# Altium PCB PCB1.PcbDoc (part 2 of 2)
Units mil, origin at the board's own origin, x right, y up, seen from the top; angles counter-clockwise.
Board outline 3919.97 x 3924.97 mil, 2 copper layers (Top Layer, Bottom Layer); 147 components, 81 nets, 426 pads, 415 vias.
Unrouted connection lines stored in the file: 3.
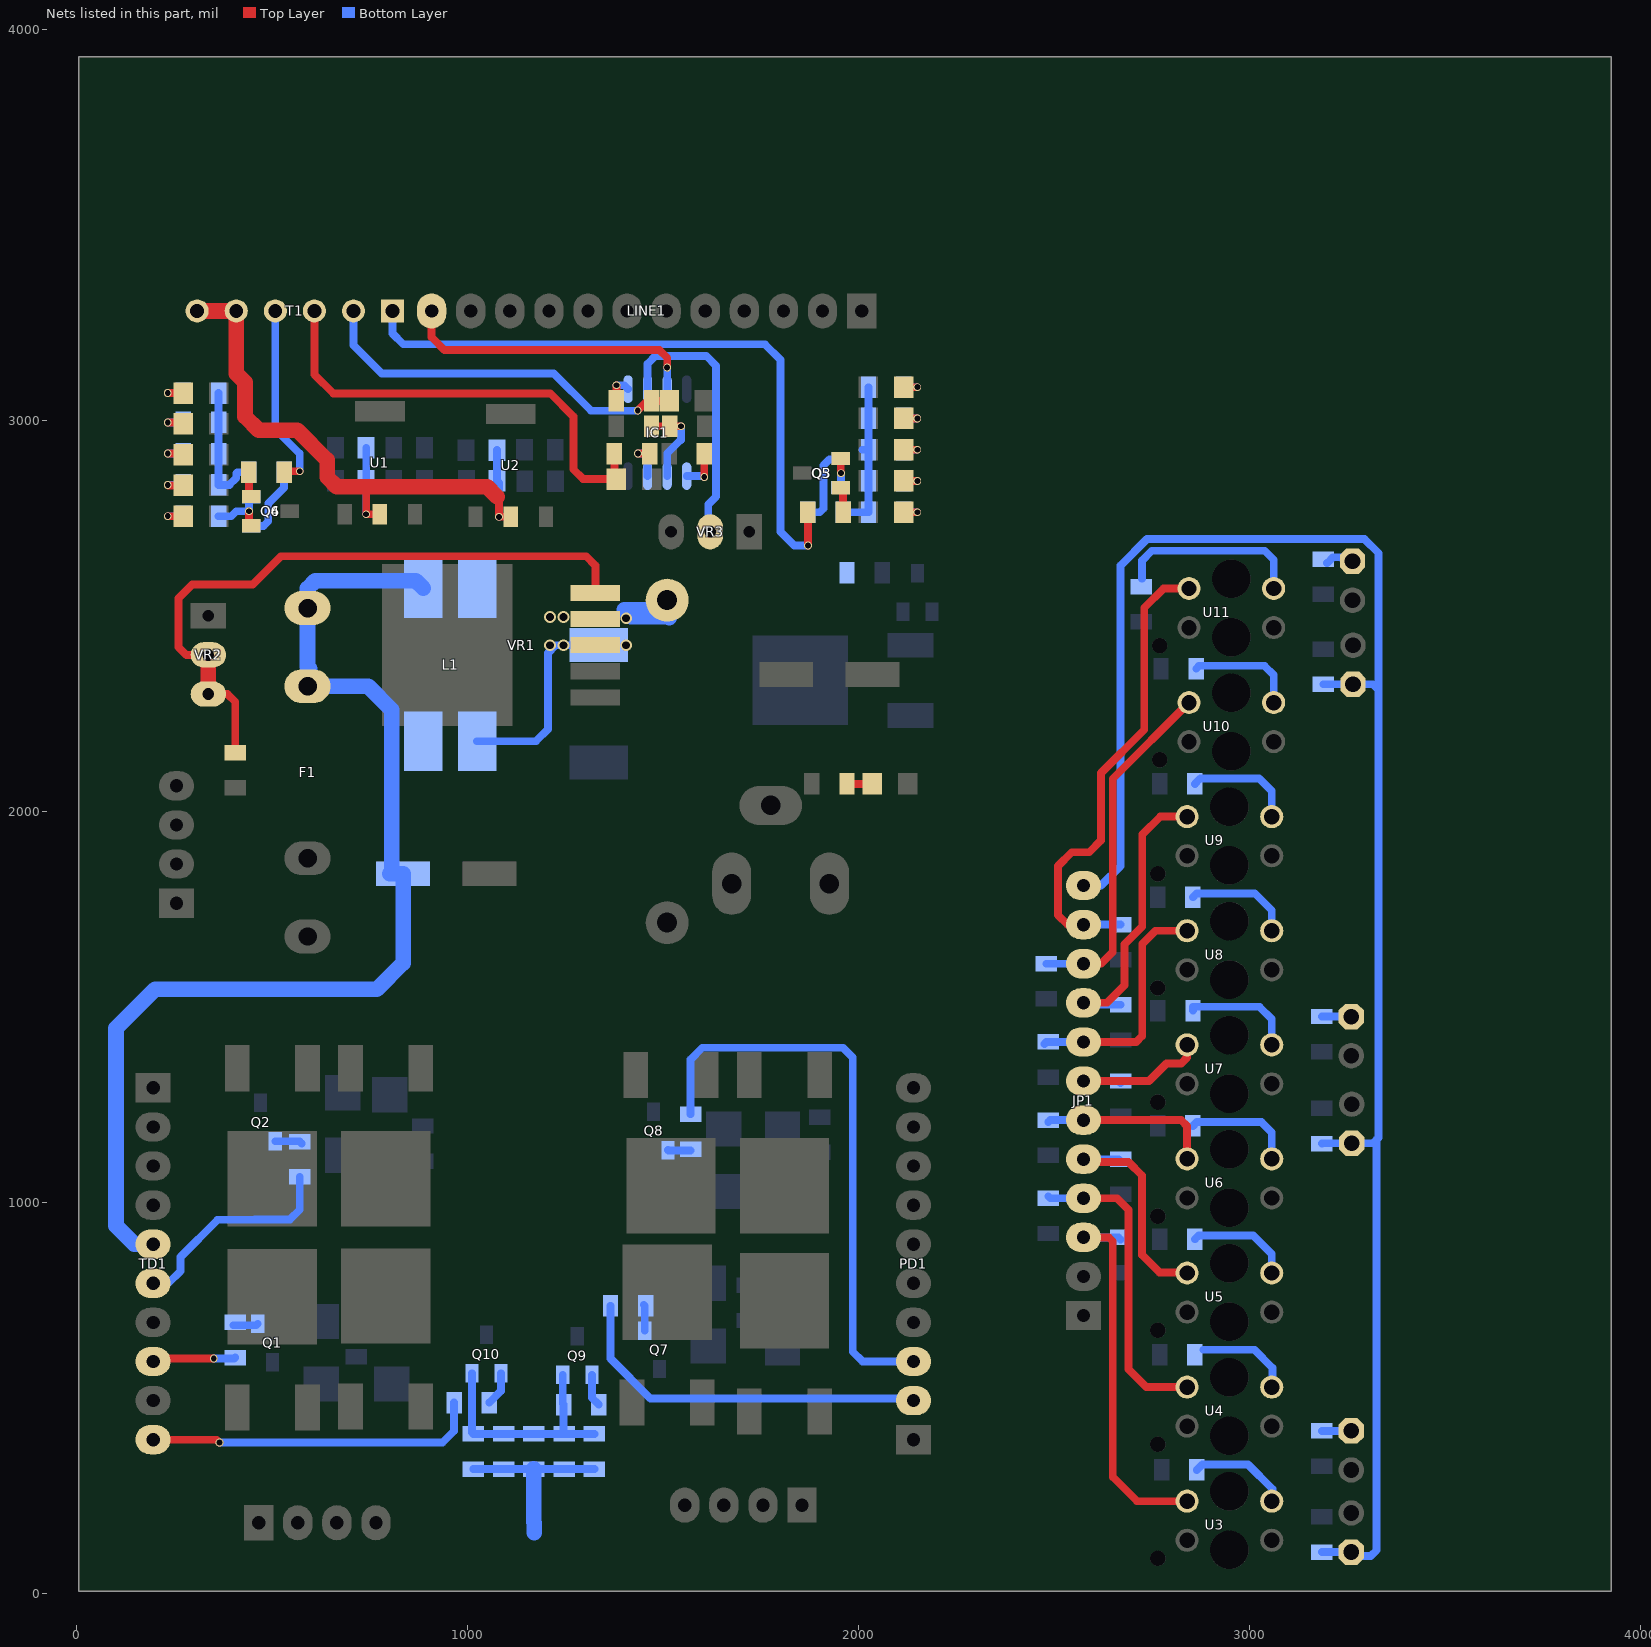
[diagram p2: the nets of this part, all layers, seen from the top]

## Via types
v1: diameter 20, hole 15, Top Layer to Bottom Layer, 368 vias
v2: diameter 30, hole 15, Top Layer to Bottom Layer, 27 vias
v3: diameter 30, hole 20, Top Layer to Bottom Layer, 16 vias
v4: diameter 200, hole 150, Top Layer to Bottom Layer, 4 vias

## Nets (pads, with @x,y where several pads share a name; then routed paths per layer and width w, separated by ;. In a path a pad name is that pad's centre, name@x,y a point inside that pad or via, vN(x,y) a via of type N, cw(c..) or ccw(c..) an arc to the next point about the centre after c; other vN are vias at no path point) (continued)
NetC4_1: C4.1 F1.2 L1.1 L1.2 R38.2 TD1.5 VR1.4 | length 3166.4
  Bottom Layer w40: TD1.5@195,892.5 147.5,892.5 100,940 100,1445 200,1545 767.5,1545 834.53,1612.03 C4.1@834.53,1840 C4.1@805,1840 ; C4.1@800,1840 C4.1@805,1840 ; L1.1@886.1,2570.87 866.97,2590 610,2590 590,2570 F1.2@590,2520 590,2370 595,2365 595,2324.63 590,2319.63 745.37,2319.63 805,2260 C4.1@805,1840 ; R38.2@1515,2495 1515,2498.31 1416.69,2498.31 1400,2515 1495.37,2515 1500,2519.63 1517.5,2502.13 R38.2@1517.5,2500
  other v3: 1405,2493.86 1210,2496.93 1245,2496.93
NetCx5_2: Cx5.2 Cx6.2 Cx7.2 Cx8.2 T1.5 T1.6 U1.2 U2.2 | length 1668.8
  Top Layer w20: 735,2830 740,2825 v1(740,2760) U1.2@775,2760 ; 1075,2804.9 1080,2799.9 v1(1080,2753.31) U2.2@1110,2753.31
  Top Layer w40: T1.6@307.6,3280 T1.5@407.6,3280 407.6,3119.83 430,3097.43 430,3010 465,2975 563.99,2975 640,2898.99 640,2855 665,2830 735,2830 1049.9,2830 1075,2804.9
  Bottom Layer w20: v1(740,2760) Cx6.2@740,2845 Cx5.2@740,2930 ; Cx7.2@1074.37,2923.99 1074.37,2845.63 Cx8.2@1075,2845 1080,2840 v1(1080,2753.31)
NetIC1_1: IC1.1 R14.2 | length 74.1
  Top Layer w20: R14.2@1380,3050 v1(1380,3090)
  Bottom Layer w20: v1(1380,3090) 1400,3090 IC1.1@1410,3080
NetIC1_2: IC1.2 VR3.2 | length 699
  Bottom Layer w20: IC1.2@1460,3080 1460,3145 1480,3165 1610,3165 1635,3140 1635,2805 1615,2785 1615,2715 VR3.2@1620,2710
NetIC1_3: IC1.3 JP1.12 LED15.1 LED17.1 LED19.1 LINE1.12 R39.2 R47.2 R55.2 | length 5346.8
  Top Layer w20: LINE1.12@907.5,3280 907.5,3212.5 940,3180 1490,3180 1510,3160 v1(1510,3135)
  Bottom Layer w20: IC1.3@1510,3080 v1(1510,3135) ; JP1.12@2575,1810 2620,1810 2670,1860 2670,2628.89 2737.57,2696.46 3293.54,2696.46 3330,2660 3330,2310 ; R55.2@3185,105 LED19.1@3260,105 3270,95 3310,95 3325,110 3325,1160 3315.87,1150.87 LED17.1@3261.26,1150.87 3185.87,1150.87 R47.2@3185,1150 ; R39.2@3188.27,2324.8 LED15.1@3264.53,2324.8 3315.2,2324.8 3330,2310 ; 3330,1165 3330,2310
NetIC1_5: IC1.5 R25.2 | length 106.1
  Top Layer w20: v1(1605,2855) R25.2@1605,2915
  Bottom Layer w20: IC1.5@1560,2857.56 1602.44,2857.56 v1(1605,2855)
NetIC1_6: IC1.6 R26.2 R30.1 | length 217.3
  Top Layer w20: R26.2@1470,2985 R30.1@1516.25,2985 v1(1545,2985)
  Bottom Layer w20: IC1.6@1510,2857.56 1510,2915.61 1542.57,2948.19 1543.19,2948.19 1545,2950 v1(1545,2985)
NetIC1_7: IC1.7 R27.2 | length 106.6
  Top Layer w20: v1(1435,2915) R27.2@1465,2915
  Bottom Layer w20: v1(1435,2915) 1450,2915 1460,2905 IC1.7@1460,2857.56
NetJP1_3: JP1.3 R41.2 U3.COLL | length 994.9
  Top Layer w20: JP1.3@2575,910 2640,910 2650,900 2650,297.4 2712.2,235.2 U3.COLL@2840,235.2
  Bottom Layer w20: JP1.3@2575,910 2664.19,910 R41.2@2670,904.19
NetJP1_4: JP1.4 R43.2 U4.COLL | length 796.2
  Top Layer w20: JP1.4@2575,1010 2660.66,1010 2690,980.66 2690,572.5 2735.45,527.05 U4.COLL@2840,527.05
  Bottom Layer w20: R43.2@2485,1015 2490,1010 JP1.4@2575,1010
NetJP1_5: JP1.5 R45.2 U5.COLL | length 601.7
  Top Layer w20: JP1.5@2575,1110 2581.98,1103.02 2690,1103.02 2725,1068.02 2725,864.83 2769.83,820 2838.9,820 U5.COLL@2840,818.9
  Bottom Layer w20: JP1.5@2575,1110 2665,1110 R45.2@2670,1105
NetJP1_6: JP1.6 R50.2 U6.COLL | length 447.5
  Top Layer w20: JP1.6@2575,1210 2825,1210 2840,1195 U6.COLL@2840,1110.75
  Bottom Layer w20: R50.2@2485,1205 2490,1210 JP1.6@2575,1210
NetJP1_7: JP1.7 R52.2 U7.COLL | length 419.5
  Top Layer w20: JP1.7@2575,1310 2742.5,1310 2787.5,1355 2825,1355 2840,1370 U7.COLL@2840,1402.6
  Bottom Layer w20: JP1.7@2575,1310 2665,1310 R52.2@2670,1305
NetJP1_8: JP1.8 R54.2 U8.COLL | length 622.6
  Top Layer w20: JP1.8@2575,1410 2710,1410 2725.51,1425.51 2725.51,1660.51 2759.45,1694.45 U8.COLL@2840,1694.45
  Bottom Layer w20: R54.2@2475,1405 2480,1410 JP1.8@2575,1410
NetJP1_9: JP1.9 R57.2 U9.COLL | length 758.5
  Top Layer w20: JP1.9@2575,1510 2635,1510 2680,1555 2680,1660 2725.51,1705.51 2725.51,1940.51 2771.3,1986.3 U9.COLL@2840,1986.3
  Bottom Layer w20: JP1.9@2575,1510 2580,1505 R57.2@2670,1505
NetJP1_10: JP1.10 R59.2 U10.COLL | length 901.3
  Top Layer w20: JP1.10@2575,1610 2620,1610 2650,1640 2650,2083.15 U10.COLL@2845,2278.15
  Bottom Layer w20: R59.2@2480,1610 JP1.10@2575,1610
NetJP1_11: JP1.11 R61.2 U11.COLL | length 1208.6
  Top Layer w20: JP1.11@2575,1710 2534.44,1710 2510,1734.44 2510,1860 2545,1895 2589.48,1895 2620,1925.52 2620,2098.15 2730.51,2208.66 2730.51,2520.51 2780,2570 U11.COLL@2845,2570
  Bottom Layer w20: JP1.11@2575,1710 R61.2@2670,1710
NetL1_3: L1.3 L1.4 SS1.1 VR1.3 | length 527.2
  Bottom Layer w20: L1.3@1023.9,2179.14 1174.14,2179.14 1205,2210 1205,2405 1225,2425 SS1.1@1335,2425
  other v3: 1210,2425 1245,2425 1405,2425
NetLED1_1: LED1.1 R14.1 T1.2 | length 975.1
  Top Layer w20: v1(1434.76,3025.24) 1459.53,3050 R14.1@1470,3050 LED1.1@1515,3050
  Bottom Layer w20: T1.2@707.6,3280 707.6,3192.4 780,3120 1220,3120 1315.43,3024.57 1434.1,3024.57 v1(1434.76,3025.24)
NetLED2_1: LED2.1 R18.2 | length 70
  Top Layer w20: LED2.1@2115,2925 v1(2150,2925)
  Bottom Layer w20: R18.2@2115,2925 v1(2150,2925)
NetLED3_1: LED3.1 R19.2 | length 70
  Top Layer w20: LED3.1@2115,3085 v1(2150,3085)
  Bottom Layer w20: R19.2@2115,3085 v1(2150,3085)
NetLED4_1: LED4.1 R23.2 | length 81
  Top Layer w20: v1(232.5,2915) 270,2915 LED4.1@272.5,2912.5
  Bottom Layer w20: v1(232.5,2915) R23.2@272.5,2915
NetLED5_1: LED5.1 R24.2 | length 80
  Top Layer w20: v1(232.5,2755) LED5.1@272.5,2755
  Bottom Layer w20: v1(232.5,2755) R24.2@272.5,2755
NetLED6_1: LED6.1 R15.2 | length 70
  Top Layer w20: LED6.1@2115,3005 v1(2150,3005)
  Bottom Layer w20: R15.2@2115,3005 v1(2150,3005)
NetLED7_1: LED7.1 R20.2 | length 81.6
  Top Layer w20: v1(232.5,2995) 268.75,2995 LED7.1@272.5,2991.25
  Bottom Layer w20: v1(232.5,2995) R20.2@272.5,2995
NetLED8_1: LED8.1 R16.2 | length 70
  Top Layer w20: LED8.1@2115,2765 v1(2150,2765)
  Bottom Layer w20: R16.2@2115,2765 v1(2150,2765)
NetLED9_1: LED9.1 R17.2 | length 70
  Top Layer w20: LED9.1@2115,2845 v1(2150,2845)
  Bottom Layer w20: R17.2@2115,2845 v1(2150,2845)
NetLED10_1: LED10.1 R21.2 | length 80
  Top Layer w20: v1(232.5,3070) LED10.1@272.5,3070
  Bottom Layer w20: v1(232.5,3070) R21.2@272.5,3070
NetLED11_1: LED11.1 R22.2 | length 80.5
  Top Layer w20: v1(232.5,2835) 233.75,2833.75 LED11.1@272.5,2833.75
  Bottom Layer w20: v1(232.5,2835) R22.2@272.5,2835
NetLED12_1: LED12.1 R27.1 T1.3 | length 1191.9
  Top Layer w20: T1.3@607.6,3280 607.6,3117.4 655.83,3069.17 1210.83,3069.17 1270,3010 1270,2875 1295,2850 LED12.1@1380,2850 1375,2855 R27.1@1375,2915
NetLED13_1: LED13.1 R36.2 | length 65
  Top Layer w20: R36.2@1970,2070 LED13.1@2035,2070
NetLED14_1: LED14.1 R46.2 | length 83.8
  Bottom Layer w20: R46.2@3198.27,2634.8 3213.47,2650 3233.07,2650 LED14.1@3263.27,2619.8
NetLED16_1: LED16.1 R48.2 | length 75.1
  Bottom Layer w20: R48.2@3185,1475 3185.2,1474.8 LED16.1@3260,1474.8
NetLED18_1: LED18.1 R62.2 | length 75
  Bottom Layer w20: R62.2@3185,415 LED18.1@3260,415
NetPD1_2: PD1.2 R13.2 | length 954.4
  Bottom Layer w20: R13.2@1365,734.9 1365,600.07 1467.57,497.5 2135,497.5 PD1.2@2140,492.5
NetPD1_3: PD1.3 R12.1 | length 1495.6
  Bottom Layer w20: R12.1@1570,1225 1570,1365 1600,1395 1960,1395 1985,1370 1985,617.5 2010,592.5 PD1.3@2140,592.5
NetQ1_3: Q1.3 R5.1 | length 64.3
  Bottom Layer w20: R5.1@400,685 458.39,685 Q1.3@462.6,689.21
NetQ2_3: Q2.3 R4.2 | length 70
  Bottom Layer w20: Q2.3@507.4,1155.79 569.21,1155.79 R4.2@575,1150
NetQ3_1: Q3.1 Q5.1 R10.1 R15.1 R16.1 R17.1 R18.1 R19.1 | length 541
  Top Layer w20: Q3.1@1954,2902 1954,2866 v1(1955,2865)
  Bottom Layer w20: v1(1955,2865) 1955,2829.79 Q5.1@1953.21,2828.01 1960,2821.22 R10.1@1960,2765 R16.1@2025,2765 R17.1@2025,2845 R18.1@2025,2925 ; R18.1@2010,2925 R18.1@2025,2925 ; R19.1@2025,3085 R18.1@2025,2925
NetQ3_3: Q3.3 R8.2 | length 65
  Top Layer w20: Q3.3@1954.21,2827.6 1960,2821.81 R8.2@1960,2765
NetQ4_1: Q4.1 Q6.1 R11.1 R20.1 R21.1 R22.1 R23.1 R24.1 | length 560.4
  Top Layer w20: v1(440,2767.5) 440,2736.5 Q4.1@446,2730.5
  Bottom Layer w20: R24.1@362.5,2755 395,2755 407.5,2767.5 v1(440,2767.5) 440,2798.5 Q6.1@446,2804.5 440,2810.5 R11.1@440,2867.5 410,2867.5 407.5,2865 407.5,2852.5 390,2835 R22.1@362.5,2835 R23.1@362.5,2915 R20.1@362.5,2995 R21.1@362.5,3070
NetQ4_3: Q4.3 R9.2 | length 65
  Top Layer w20: R9.2@440,2867.5 440,2810.69 Q4.3@445.79,2804.9
NetQ5_3: Q5.3 R10.2 | length 205
  Bottom Layer w20: R10.2@1870,2765 1900.38,2765 1909.59,2774.21 1909.59,2853.02 1910,2853.43 1910,2885 1925,2900 1951.02,2900 Q5.3@1953.43,2902.41
NetQ6_3: Q6.3 R11.2 | length 190.9
  Bottom Layer w20: Q6.3@445.79,2730.1 477.6,2730.1 489.62,2742.12 489.62,2787.5 530,2827.88 R11.2@530,2867.5
NetQ7_3: Q7.3 R13.1 | length 66.9
  Bottom Layer w20: R13.1@1450,737.5 1452.6,734.9 Q7.3@1452.6,671.71
NetQ8_3: Q8.3 R12.2 | length 57.9
  Bottom Layer w20: Q8.3@1512.4,1133.29 1513.19,1132.5 R12.2@1570,1132.5
NetQ9_1: Q9.1 Q10.1 R28.1 R29.1 R31.1 R32.1 R33.1 R34.1 | length 619.1
  Bottom Layer w20: Q10.1@1010.6,562.54 1010.6,410.72 R29.1@1014,407.32 R32.1@1091.5,407.32 R33.1@1169,407.32 R28.1@1246.5,407.32 ; Q9.1@1243,558.32 1243,484.32 R31.1@1245,482.32 1245,408.82 R28.1@1246.5,407.32 ; R34.1@1324,407.32 R28.1@1246.5,407.32
NetQ9_3: Q9.3 R31.2 | length 83.1
  Bottom Layer w20: Q9.3@1317.4,558.11 1317.4,499.92 R31.2@1335,482.32
NetQ10_3: Q10.3 R35.2 | length 87.4
  Bottom Layer w20: R35.2@1055,487.32 1085,517.32 Q10.3@1085,562.32
NetR3_1: R3.1 VR1.5 VR2.2 VR2.3 | length 1706.9
  Top Layer w20: VR2.3@336.25,2300 385,2300 405,2280 R3.1@405,2150 ; VR2.2@336.25,2400 280,2400 260,2420 260,2545 295,2580 450,2580 522.28,2652.28 1302.72,2652.28 1326.34,2628.66 VR1.5@1326.34,2558.86
  Top Layer w40: VR2.3@336.25,2300 VR2.2@336.25,2400
NetR4_1: R4.1 TD1.6 | length 558.3
  Bottom Layer w20: TD1.6@195,792.5 233.75,792.5 265,823.75 265,860 360,955 454.31,955 455.31,956 545,956 570,981 R4.1@570,1065
NetR5_2: R5.2 TD1.8 | length 199.1
  Top Layer w20: TD1.8@210,592.5 217.5,600 v1(350,600)
  Bottom Layer w20: v1(350,600) 402.5,600 R5.2@405,602.5
NetR8_1: R8.1 T1.1 | length 1687.4
  Top Layer w20: v1(1870,2680) R8.1@1870,2765
  Bottom Layer w20: T1.1@807.6,3280 807.6,3222.4 835,3195 1760,3195 1800,3155 1800,2715 1835,2680 v1(1870,2680)
NetR9_1: R9.1 T1.4 | length 477.3
  Top Layer w20: R9.1@530,2867.5 532.5,2870 v1(570,2870)
  Bottom Layer w20: T1.4@507.6,3280 507.6,2977.4 570,2915 v1(570,2870) v1@569.68,2870.32
NetR28_2: R28.2 R29.2 R32.2 R33.2 R34.2 | length 472.7
  Bottom Layer w20: R29.2@1014,317.32 R32.2@1091.5,317.32 R33.2@1169,317.32 R28.2@1246.5,317.32 R34.2@1324,317.32
  Bottom Layer w40: R33.2@1169,317.32 1169,181 1170,180 1170,155
NetR35_1: R35.1 TD1.10 | length 842.9
  Top Layer w20: TD1.10@210,392.5 357.5,392.5 v1(365,385)
  Bottom Layer w20: v1(365,385) 935,385 965,415 R35.1@965,487.32
NetR37_2: R37.2
NetR40_2: R40.2 U3.A | length 256.6
  Bottom Layer w20: R40.2@2865,315 2879.21,329.21 2995.79,329.21 3058.27,266.73 U3.A@3058.27,235.2
NetR42_2: R42.2 U4.A | length 247.2
  Bottom Layer w20: 2881.74,622.5 3012.5,622.5 3058.27,576.73 U4.A@3058.27,525
NetR44_2: R44.2 U5.A | length 269
  Bottom Layer w20: R44.2@2860,905 2870,915 3009.19,915 3056.54,867.66 U5.A@3056.54,818.9
NetR49_2: R49.2 U6.A | length 284.4
  Bottom Layer w20: R49.2@2855,1195 2865,1205 2900.63,1205 2900.87,1204.76 3030.24,1204.76 3056.54,1178.46 U6.A@3056.54,1110.75
NetR51_2: R51.2 U7.A | length 290.3
  Bottom Layer w20: R51.2@2855.2,1490 2855.2,1500 3025,1500 3056.54,1468.46 U7.A@3056.54,1402.6
NetR53_2: R53.2 U8.A | length 275.7
  Bottom Layer w20: R53.2@2855,1780 2865,1790 3012.99,1790 3056.54,1746.46 U8.A@3056.54,1694.45
NetR56_2: R56.2 U9.A | length 281.2
  Bottom Layer w20: R56.2@2860,2070 2874.13,2084.13 3024.13,2084.13 3056.54,2051.73 U9.A@3056.54,1986.3
NetR58_2: R58.2 U10.A | length 281.5
  Bottom Layer w20: R58.2@2863.27,2364.8 2870.63,2372.16 3037.84,2372.16 3061.54,2348.46 U10.A@3061.54,2278.15
NetR60_2: R60.2 U11.A | length 476.3
  Bottom Layer w20: 2725,2595 2725,2641.46 2750,2666.46 3038.54,2666.46 3061.54,2643.46 U11.A@3061.54,2570
pads on no net: JDC1.3 LINE1.3 LINE1.4 LINE1.5 LINE1.6 LINE1.7 LINE1.8 LINE1.9 LINE1.10 LINE1.11 PD1.1 PD1.4 TD1.7 TD1.9 U1.4 U2.4 U3.None U4.None U5.None U6.None U7.None U8.None U9.None U10.None U11.None VR1.2 VR1.6
copper on no net:
  other v1: 2380,29.68 3400,30 2380,60.26 3400,60.58 2380,90.84 3400,91.16 2380,121.42 3400,121.74 2380,152 3400,152.32 2380,182.58 3400,182.9 2380,213.16 3400,213.48 2380,243.74 3400,244.06 2380,274.32 3400,274.65 2380,304.9 3400,305.23 2380,335.48 3400,335.81 2380,366.06 3400,366.39 2380,396.64 3400,396.97 2380,427.22 3400,427.55 2380,457.81 3400,458.13 2380,488.39 3400,488.71 2380,518.97 3400,519.29 2380,549.55 3400,549.87 2380,580.13 3400,580.45 2380,610.71 3400,611.03 2380,641.29 3400,641.61 2380,671.87 3400,672.19 2380,702.45 3400,702.78 2380,733.03 3400,733.36 2380,763.61 3400,763.94 2380,794.19 3400,794.52 2380,824.77 3400,825.1 2380,855.35 3400,855.68 2380,885.94 3400,886.26 2380,916.52 3400,916.84 2380,947.1 3400,947.42 2380,977.68 3400,978 2380,1008.26 3400,1008.58 2380,1038.84 3400,1039.16 2380,1069.42 3400,1069.74 2380,1100 3400,1100.32 2380,1125.87 3400,1130.91 2380,1156.45 3400,1161.49 2380,1187.03 3400,1192.07 2380,1217.61 3400,1222.65 2380,1248.19 3400,1253.23 2380,1278.77 3400,1283.81 2380,1309.35 3400,1314.39 2380,1339.93 3400,1344.97 2380,1370.51 3400,1375.55 2380,1401.09 3400,1406.13 2380,1431.67 3400,1436.71 2380,1462.25 3400,1467.29 2380,1492.84 3400,1497.87 2380,1523.42 3400,1528.45 2380,1554 3400,1559.03 2380,1584.58 3400,1589.62 2380,1615.16 3400,1620.2 2380,1645.74 3400,1650.78 2380,1676.32 3400,1681.64 2380,1706.9 3400,1715 2380,1737.48 3400,1745.58 2380,1768.06 3400,1776.16 2380,1798.64 3400,1806.74 2380,1829.22 3400,1837.32 2380,1859.8 3400,1867.9 2380,1890.38 3400,1898.48 2380,1920.97 3400,1929.06 2380,1951.55 3400,1959.65 2380,1982.13 3400,1990.23 2380,2012.71 3400,2020.81 2380,2043.29 3400,2051.39 2380,2073.87 3400,2081.97 2380,2104.45 3400,2112.55 2380,2135.03 3400,2143.13 2380,2165.61 3400,2173.71 2380,2196.19 3400,2204.29 2380,2226.77 3400,2234.87 2380,2257.35 3400,2265.45 2380,2287.93 3400,2296.03 2380,2318.51 3400,2326.61 2380,2349.09 3400,2357.19 2380,2379.68 3400,2387.78 2380,2410.26 3400,2418.36 2380,2440.84 3400,2448.94 2380,2471.42 3400,2479.52 2380,2502 3400,2510.1 2380,2532.58 3400,2540.68 2380,2563.16 3400,2571.26 2380,2593.74 3400,2601.84 2380,2624.32 3400,2632.42 2380,2654.9 3400,2663 2380,2685.48 3400,2693.58 2380,2716.06 3400,2724.16 2380,2746.64 2413.36,2760 2444.22,2760 2474.8,2760 2505.38,2760 2535.97,2760 2566.55,2760 2597.13,2760 2627.71,2760 2658.29,2760 2688.87,2760 2719.45,2760 2750.03,2760 2780.61,2760 2811.19,2760 2841.77,2760 2872.35,2760 2902.93,2760 2933.51,2760 2964.09,2760 2994.68,2760 3025.26,2760 3055.84,2760 3086.42,2760 3117,2760 3147.58,2760 3178.16,2760 3208.74,2760 3239.32,2760 3269.9,2760 3300.48,2760 3331.06,2760 3361.64,2760 3400,2760 2380,2777.22 2380,2807.81 2380,2838.39 2380,2868.97 2380,2899.55 2380,2930.13 2380,2960.71 2380,2991.29 2380,3021.87 2380,3052.45 2380,3083.03 2380,3113.61 2380,3144.19 2380,3174.77 2380,3205.35 2380,3235.94 2380,3266.52 2380,3297.1 2380,3327.68 2380,3358.26 2380,3388.84 2380,3419.42 25,3450 55.58,3450 86.16,3450 116.74,3450 147.32,3450 177.9,3450 208.48,3450 239.06,3450 269.65,3450 300.23,3450 330.81,3450 361.39,3450 391.97,3450 422.55,3450 453.13,3450 483.71,3450 514.29,3450 544.87,3450 575.45,3450 606.03,3450 636.61,3450 667.19,3450 697.78,3450 728.36,3450 758.94,3450 789.52,3450 820.1,3450 850.68,3450 881.26,3450 911.84,3450 942.42,3450 973,3450 1003.58,3450 1034.16,3450 1064.74,3450 1095.32,3450 1125.91,3450 1156.49,3450 1187.07,3450 1217.65,3450 1248.23,3450 1278.81,3450 1309.39,3450 1339.97,3450 1370.55,3450 1401.13,3450 1431.71,3450 1462.29,3450 1492.87,3450 1523.45,3450 1554.03,3450 1584.62,3450 1615.2,3450 1645.78,3450 1676.36,3450 1706.94,3450 1737.52,3450 1768.1,3450 1798.68,3450 1829.26,3450 1859.84,3450 1890.42,3450 1921,3450 1951.58,3450 1982.16,3450 2012.75,3450 2043.33,3450 2073.91,3450 2104.49,3450 2135.07,3450 2165.65,3450 2196.23,3450 2226.81,3450 2257.39,3450 2287.97,3450 2318.55,3450 2349.13,3450 2380,3450
  other v4: 146,140 2186,140 146,3270 2186,3270

## Polygon pours and split planes (outlines as drawn)
GND on Top Layer "GND_L01_P018" (hatched 90Degree grid 20 track 10, pour order 18): 2429.62,2730.5 3354.5,2730.5 3355,2730 3355,0 2419.61,0
GND on Top Layer "Top Layer-GND" (hatched 90Degree grid 20 track 10, pour order 7): 15,3405 15,10 2325,10 2325,3405
GND on Bottom Layer "GND_L02_P016" (hatched 90Degree grid 20 track 10, pour order 16): 3345,0 3350,5 3350,2725 2420,2725 2420,0
GND on Bottom Layer "Bottom Layer-GND" (hatched 90Degree grid 20 track 10, pour order 14): 10,3415 10,10 2335,10 2335,3420
no net on Bottom Layer "Bottom Layer-No Net" (solid, pour order 12): 20,3410
no net on Bottom Layer "Bottom Layer-No Net 1" (solid, pour order 8): 40,3380

## Keep-outs
Keep-Out Layer:
  lines w10: 0,3395 0,0 ; 2310,0 0,0 ; 0,0 0,3935 3930,3935 3930,0 2995,0 0,0

## Other copper
Top Layer:
  region net Net9_3: 1645,417.5 1645,447.32 1632.32,460 1627.32,455 1580,455 1580,440 1565,425 1565,298.33 1579.17,284.17 1580.71,285.71
  region net GND: 1995,1730 1945,1680 1940,1685 1940,1730
  region net GND: 1277.5,1570 1275.87,1570 1220.87,1515 1200.16,1535.71 1200.16,1580
  region net GND: 1372.5,1770 1375,1767.5 1375,1675 1406.25,1643.75 1397.5,1635 1208.56,1635
  region net GND: 1236.94,1645 1824.29,1645 1855,1692.78 1855,1740 1855,1775 1973.52,1775 1970,1771.48 1970,1655 1880,1565 1207.5,1565 1207.5,1602.69 1190.19,1620
  region net GND: 1415,925 1415,875 1606.25,875 1606.25,940
  region net GND: 1177.59,1945 1210,1945 1240,1915 1264.14,1939.14 1264.14,1955
  region net GND: 1377.5,1981.25 1377.5,1767.5 1225,1615 1225,1545.82 1101.3,1545.82 1070,1577.12 1225,1732.11 1225,1955.14
  region net GND: 1225,1545.82 1070,1577.12 1070,730 1073.98,730 1225,730
  region net GND: 390,1180 305,1180 305,950 310,940 415,940
  region net GND: 200,2090 65,2090 35,2060 35,990 85,940 345,940 345,1550 185,1710 185,1930 191.25,1930 205,1943.75
  region net GND: 1276.64,2115 1251.64,2090 1269.29,2090 1284.29,2075
  region net GND: 225,2100 205,2100 170,2065 170,1980 185,1965
  region net GND: 206.25,2098.75 180,1968.75 205,1943.75 1340,1943.75 1377.5,1981.25 1377.5,2288.75 1280,2288.75 1275,2293.75 1270,2288.75 1270,2098.75
  region net Net1_2: 1983.86,831.25 2186.25,831.25 2220,865 2220,1030 2185,1065 1995,1065 1963.17,1033.17 1963.17,982.99
  region net Net1_2: 1983.86,831.25 1766.14,831.25 1741.14,856.25 1741.14,926.25 1767.14,952.25 1932.43,952.25 1963.17,982.99
  region net GND: 2095,2317.92 2122.92,2290 2130,2290 2130,2323.96 2115,2338.96
  region net GND: 2100,2380 2190,2380 2202.92,2367.08 2202.92,2317.92 2095,2317.92
  region net Net17_2: 1730,2390 1765,2390 1775,2380 1775,2317.92 1757.92,2317.92 1745,2305
  region net NetL1_3: 1180,2455 1170,2445 1170,2410.19 1185.19,2395 1415,2395 1425,2405 1425,2445 1415,2455
  region net NetC4_1: 1260,2470
  region: 1425,2560
  region net NetC4_1: 1415,2465 1425,2475 1425,2514.63 1414.63,2525 1195.37,2525 1185,2514.63 1185,2475 1195,2465
  region net GND: 2195,2375 2210,2360 2210,2317.92 2202.92,2317.92 2185,2300
  region net GND: 2210,2330.42 2210,1795 2140,1725 1905,1725 1855,1775 1855,1870 1890,1905 2085,1905 2120,1940 2120,2322.92
  region net Net17_2: 1675,1937.5 1735,1877.5 1735,1745 1715,1725 1595,1725 1545,1775 1545,2345 1590,2390 1730,2390 1745,2375 1745,2305 1740,2305 1675,2240
  region: 1430,2855
  region net Net10_3: 1750,1327.5 1815,1327.5 1825,1317.5 1825,1287.5 1815,1277.5 1750,1277.5
  region net Net1_2: 1745,930 1745,860 1865,860 1870,855 1870,940
  region net GND: 1460,927.5 1460,857.5 1580,857.5 1585,852.5 1585,937.5
  region net Net10_3: 1400,1267.5 1340,1267.5 1340,1407.5 1335,1412.5 1345,1422.5 1410,1422.5
  region net Net2_3: 440,1395 440,1420 460,1440 650,1440 665,1425 665,1392.5 727.5,1392.5 730,1390 732.5,1392.5 732.5,1432.5 745,1445 890.1,1445 925,1410.1 925,260 900,235 655,235 625,205 625,155 645,135 660,125 1000,125 1055.47,180.47 1055.47,1494.53 995,1555 435,1555 380,1500 380,1365 390,1355
  region net Net1_3: 420,175 420,130 430,120 595,120 610,135 610,260 676.67,326.67
  region net Net1_3: 560,420 545,405 480,405 420,345 420,175 425,175 565,315
  region net Net10_3: 1685,1375 1685,1402.5 1675,1412.5 1475,1412.5 1465,1402.5 1465,1375 1425,1375 1365,1315 1365,320 1420,265 1672.5,265 1695,242.5 1695,145 1675,125 1282.5,125 1240,167.5 1240,1495 1300,1555 1710,1555 1755,1510 1755,1347.5 1705,1347.5
  region net Net9_3: 1935,411.96 1935,182.5 1915,162.5 1735,162.5 1715,182.5 1715,267.5 1700,282.5 1582.08,282.5 1575,289.58 1575,417.5 1645,417.5 1645,382.5 1660,367.5 1850,367.5 1865,382.5 1865,414.46
  region: 840,1385
  region net Net2_3: 811.25,1383.75 820,1375 820,1355 810,1345 798.33,1345
  region net Net2_3: 798.33,1345 730,1345 730,1390 735,1385 810,1385 811.25,1383.75
  region: 730,1400
  region net Net1_2: 725,945 725,875 845,875 850,870 850,955
  region net GND: 435,940 435,870 555,870 560,865 560,950
  region: 780,1030
  region net Net1_3: 850,420 850,415 840,405
  region net Net1_3: 620,420 640,400 600,400 610,410 610,415
  region net Net1_3: 425,215 460,180 507.5,180 612.5,285 891.67,285 910,303.33 910,420 855,420 840,405 630,405 620,415 560,415 425,280
  region net Net1_3: 850,420 850,400 910,400 910,420
  region net Net1_3: 560,420 560,400 620,400 620,420
  region: 555,415
Bottom Layer:
  region net GND: 1210,1008.75 1137.94,1008.75 1110.19,981 1110.19,760 1133.94,736.25 1205,736.25
  region net GND: 1210,1008.75 1260,960 1580,960 1610,930 1610,840 1565,795 1262.5,795 1205,737.5
  region net NetC4_1: 1407.5,2575.86 1415.86,2575.86 1435,2595 1550.61,2595 1569.75,2575.86
  region net NetC4_1: 1416.82,2575
  region net Net1_2: 2033,1344.36 2033,1351.14 1958,1426.14 1964.36,1432.5 2058,1432.5
  region net Net1_2: 2045,1585 2165,1585 2220,1530 2220,784 2186,750 2060,750 2030,780 2030,1448.75
  region net Net1_2: 1395,1665.64 1395,1658.86 1470,1583.86 1463.64,1577.5 1370,1577.5
  region net Net1_2: 1188.5,1580 1195.28,1580 1270.28,1655 1276.64,1648.64 1276.64,1555
  region net Net1_2: 1265,2085 1265,1580 1275,1570 1405,1570 1405,2085 1398.33,2091.67
  region net Net1_2: 1145.64,1425 1138.86,1425 1063.86,1350 1057.5,1356.36 1057.5,1450
  region net Net1_2: 1080,1585 1015,1585 945,1515 970,1490 1085,1490
  region net Net1_2: 1049.31,1465.69 1095,1420 2042.5,1420 2100,1477.5 2100,1530 2045,1585 1078.41,1585
  region net Net1_2: 967.73,840 750,840 725,865 725,935 751,961 916.3,961 947.04,991.74
  region net Net1_2: 740,940 725,925 725,895 740,880 945,880 945,940
  region: 725,940
  region net Net1_2: 1091.5,1526.5 945,1514.87 945,840 1056.77,840 1091.5,892.5 1091.5,898.5
  region net Net17_3: 1477.5,2190 1455,2167.5 1455,2115 1485,2145 1525,2145
  region net NetC4_1: 1161.04,2633.96 1219.14,2575.86 1569.14,2575.86 1580,2565 1580,2485 1555,2460 1450,2460 1430,2480 1200,2480 1176.9,2503.1
  region net Net17_3: 1510,2182.5 1452.6,2125.1 1452.6,1657.4 1470,1640 1560,1640 1577.5,1657.5 1577.5,2077.5 1602.5,2102.5 1607.5,2102.5
  region: 660,2715
  region net NetC4_1: 845,2635 570,2635 520,2585 520,2297.5 572.5,2245 735,2245 775,2285 775,2480 805,2510 855,2510
  region net NetL1_3: 1260,2470 1180,2470 1140,2430 1140,2275 1105,2240 1050,2240 1050,2135 1065,2120 1187.5,2120 1235,2167.5 1235,2355 1265,2385 1308.57,2385
  region net NetC4_1: 1070,2640 1155,2640 1174.14,2620.86 1174.14,2575.86 1220,2530 1415,2530 1425,2520 1425,2490 1415,2480 1195,2480 1169.21,2505.79 1060,2505.79
  region net NetL1_3: 902.5,2255 997.5,2255 997.5,2125 977.5,2105 917.5,2105
  region net NetC4_1: 912.5,2645 1007.5,2645 1007.5,2515 987.5,2495 927.5,2495
  region net Net17_2: 1760,2450 1700,2450 1665,2415 1665,2255 1700,2220 1745,2220
  region: 1725,2445
  region net Net17_3: 1477.5,2102.5 2155,2102.5 2182.5,2130 2182.5,2215 2097.5,2215 2092.5,2220 2087.5,2215 2087.5,2205 2072.5,2190 1477.5,2190
  region net NetC1_1: 510,1910 545,1945 647.5,1945 682.5,1910 660,1910 600,1850
  region net NetC1_1: 740,1880 710,1910 206.25,1910 181.25,1885 181.25,1730 196.25,1715 241.25,1715 336.25,1620 720,1620 740,1640
  region net GND: 1618.75,928.5 1487.35,928.5 1478.75,919.9 1478.75,882.5 1488.75,872.5 1621.25,872.5
  region net Net1_2: 1835,832.5 1835,992.5 1830,997.5 1780,997.5 1780,817.5 1775,812.5
  region: 1755,1325.18
  region net GND: 595,936 463.6,936 455,927.4 455,890 465,880 597.5,880
  region net GND: 715,1075 715,970 655,910 655,725 600,725 595,730 595,936 645,986 645,1095 650,1100
  region net Net1_2: 765,1070 765,725 840,725 840,1075

## Silkscreen, mask and mechanical layers (free items; w line width, h text height)
Top Overlay:
  text "AGV Project" at 2530,2157.28 h50 r90
  text "AGV Project" at 1220,530 h100 r90
  text "LamTran" at 985,125 h60
  text "LamTran" at 2545,88 h60 r90
Drill Drawing:
  region: 1935,402.5

## Text inside footprints (layer, text, board x,y; h text height)
F1: Top Overlay "3A" at 651,1992.37 h196.85 r90